# Altium PCB PCB1.PcbDoc
Units mm, origin at the board's own origin, x right, y up, seen from the top; angles counter-clockwise.
Board outline 24.03 x 10 mm, 2 copper layers (Top Layer, Bottom Layer); 14 components, 16 nets, 63 pads, 12 vias.
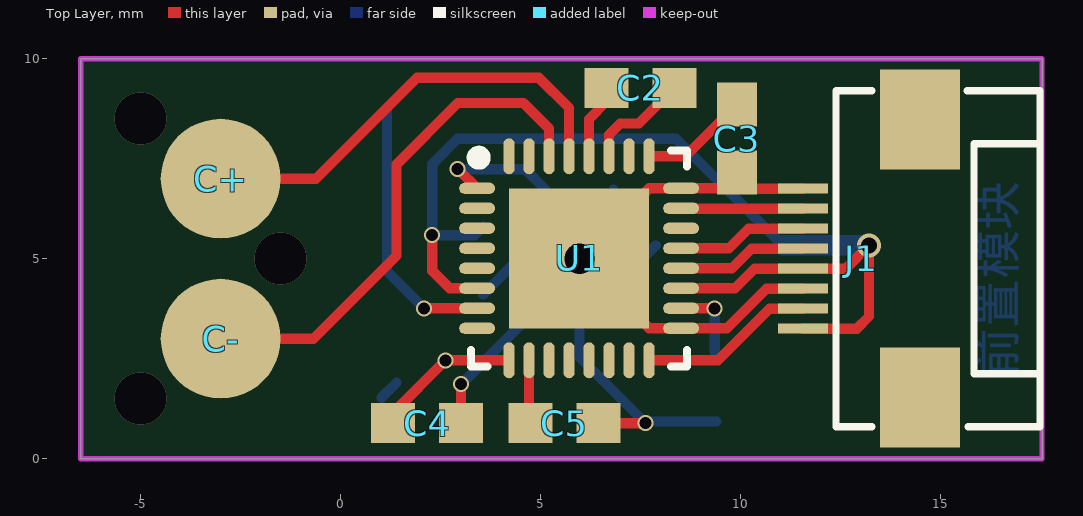
[diagram p0: Top Layer view]
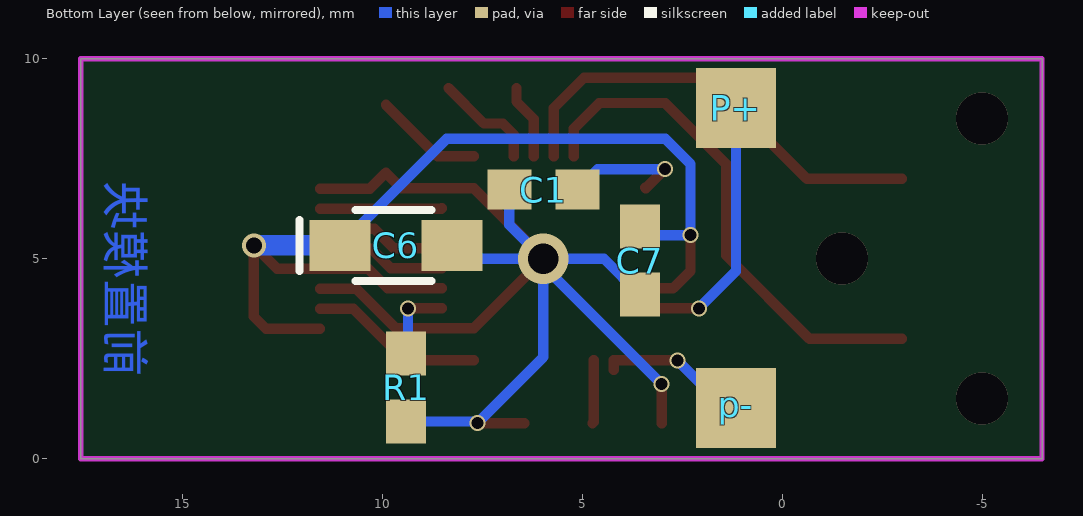
[diagram p1: Bottom Layer view, seen from below]

## Layer stack, top to bottom
Top Solder: solder mask 0.0102, Solder Resist, Dk 3.5
Top Layer: signal copper 0.0356
Dielectric 1: dielectric 0.32, FR-4, Dk 4.8
Bottom Layer: signal copper 0.0356
Bottom Solder: solder mask 0.0102, Solder Resist, Dk 3.5

## Board outline
-6.5,0 -6.5,10 17.533,10 17.533,0

## Design rules (kind name [scope] priority, off if disabled: settings)
Clearance [All] p1: gap=0.152 ignorepadtopadclearanceinfootprint=FALSE
ComponentClearance [All] p1 off: gap=0.254 collisioncheckmode=3 verticalgap=0.254 showdistances=FALSE
PolygonConnect [All] p1: connectstyle=Relief reliefconductorwidth=0.254 reliefentries=4 polygonreliefangle="90 Angle" airgapwidth=0.254
RoutingVias [All] p1: holewidth=0.711 width=1.27 viastyle="Through Hole" minholewidth=0.3 minwidth=0.4 maxholewidth=6.35 maxwidth=10
SolderMaskExpansion [All] p1: expansion=0.102
Width [All] p1: maxlimit=2.54 minlimit=0.254 preferedwidth=0.254
29 further rules are at their usual default settings.

## Classes and differential pairs
component class 电容测量: C1 C2 C3 C4 C5 C6 C7 C+ C- J1 P+ p- R1

## Components (designator, comment, footprint, x,y, rotation, side; value= is the part's Value field where it differs from the comment)
C1 "Cap" 0603-2 5.969,6.731 r0 bottom value=100nf
C2 "Cap" 0603-2 7.493,9.271 r180 top value=56pf
C3 "Cap" 0603-2 9.906,8.001 r90 top value=4.7uf
C4 "Cap" 0603-2 2.159,0.889 r0 top value=33nf
C5 "Cap" 0603-2 5.588,0.889 r180 top value=100nf
C6 "Cap Pol" CAP-3216 9.652,5.334 r180 bottom value=10uf
C7 "Cap" 0603-2 3.556,4.953 r90 bottom value=0.1uf
C+ "pad" PAD_3X3#1 -1.143,8.763 r0 top
C- "pad" PAD_3X3#2 -1.13,1.27 r0 top
J1 "FPC-8P" FPC0.5-8P-C 12.178,5 r0 top
P+ "pad" PAD_3X3#3 1.143,8.763 r180 bottom
p- "pad" PAD_3X3#3 1.143,1.27 r180 bottom
R1 "Res1" 0603-2 9.398,1.778 r270 bottom value=470K
U1 "PCap01-AD" QFN-32_5X5X05 5.949,5 r270 top

## Footprints (in the part's own frame and the unit in brackets; to place one, negate y for a bottom-side part, rotate by r counter-clockwise, add the part's x,y. Pads: shape width x height; smd on the part's side, far side on the other; paste and mask are expansions set on the pad)
0603-2 [mm] "贴片无丝印"
  rect 1.1x1 smd: 1(-0.85,0) 2(0.85,0)
CAP-3216 [mil] "钽电容"
  rect 60x50 smd: 1(-55,0) 2(55,0)
  silkscreen extent -95,-35 35,35
FPC0.5-8P-C [mm] "FPC连接器母座，0.5mm间距，8P,掀盖式"
  rect 1.25x0.25 smd: 1(-0.625,1.75) 2(-0.625,1.25) 3(-0.625,0.75) 4(-0.625,0.25) 5(-0.625,-0.25) 6(-0.625,-0.75) 7(-0.625,-1.25) 8(-0.625,-1.75)
  rect 2x2.5 smd: A(2.3,-3.475) B(2.3,3.475)
  silkscreen extent 0.2,-4.2 5.3,4.2, body extent 0.2,-4.18 5.3,4.2, height 2
PAD_3X3#1 [mm]
  round 3 smd: 1(-1.857,-1.763)
PAD_3X3#2 [mm]
  round 3 smd: 1(-1.87,1.73)
PAD_3X3#3 [mm]
  rect 2x2 smd: 1(-0.013,0)
QFN-32_5X5X05 [mm]
  rect 3.5x3.5 smd paste-1.75 mask+0.051: 0(-0.012,0.01)
  oval 0.28x0.9 smd mask+0.051: 1(-1.762,-2.54) 2(-1.262,-2.54) 3(-0.762,-2.54) 4(-0.262,-2.54) 5(0.238,-2.54) 6(0.738,-2.54) 7(1.238,-2.54) 8(1.738,-2.54) 17(1.738,2.56) 18(1.238,2.56) 19(0.738,2.56) 20(0.238,2.56) 21(-0.262,2.56) 22(-0.762,2.56) 23(-1.262,2.56) 24(-1.762,2.56)
  oval 0.9x0.28 smd mask+0.051: 9(2.538,-1.74) 10(2.538,-1.24) 11(2.538,-0.74) 12(2.538,-0.24) 13(2.538,0.26) 14(2.538,0.76) 15(2.538,1.26) 16(2.538,1.76) 25(-2.562,1.76) 26(-2.562,1.26) 27(-2.562,0.76) 28(-2.562,0.26) 29(-2.562,-0.24) 30(-2.562,-0.74) 31(-2.562,-1.24) 32(-2.562,-1.74)
  silkscreen extent -2.71,-2.69 2.69,2.71

## Part data
C1 C2 C3 C4 C5 C7: "无极性电容", LatestRevisionDate=17-Jul-2002, LatestRevisionNote="Re-released for DXP Platform.", PackageReference=RAD-0.3, Published=8-Jun-2000, Publisher="Altium Limited"
C6: "极性电解电容", LatestRevisionDate=17-Jul-2002, LatestRevisionNote="Re-released for DXP Platform.", PackageReference=RB7.6-15, Published=8-Jun-2000, Publisher="Altium Limited", Vol=16V
C+ C- P+ p-: library part pad_3x3, "焊盘接口"
J1: "FPC排线连接器"
R1: "贴片电阻", LatestRevisionDate=17-Jul-2002, LatestRevisionNote="Re-released for DXP Platform.", PackageReference=AXIAL-0.4, Published=8-Jun-2000, Publisher="Altium Limited"
U1: library part Pcap01AD, "电容测量芯片"

## Via types
v1: diameter 0.4, hole 0.3, Top Layer to Bottom Layer, 7 vias
v2: diameter 1.3, hole 1.3, Top Layer to Bottom Layer, 3 vias
v3: diameter 0.6, hole 0.4, Top Layer to Bottom Layer, 1 vias
v4: diameter 1.27, hole 0.762, Top Layer to Bottom Layer, 1 vias

## Nets (pads, with @x,y where several pads share a name; then routed paths per layer and width w, separated by ;. In a path a pad name is that pad's centre, name@x,y a point inside that pad or via, vN(x,y) a via of type N, cw(c..) or ccw(c..) an arc to the next point about the centre after c; other vN are vias at no path point)
3.3V: C6.1 C7.2 J1.5 J1.8 U1.6 U1.19 | length 26.3
  Top Layer w0.254: v1(2.286,5.588) 2.286,4.699 2.723,4.262 U1.6 ; U1.19 9.856,4.262 10.344,4.75 J1.5 12.624,4.75 v3(13.208,5.334) 13.208,3.556 12.902,3.25 J1.8
  Bottom Layer w0.254: C7.2 3.341,5.588 v1(2.286,5.588) 2.286,7.366 2.921,8.001 8.382,8.001 C6.1
  Bottom Layer w0.508: C6.1 v3(13.208,5.334)
CS: J1.3 U1.21 | length 3.2
  Top Layer w0.254: U1.21 9.707,5.262 10.195,5.75 J1.3
GND: C1.2 C3.1 C4.2 C5.1 C6.2 C7.1 J1.1 J1.6 R1.2 U1.0 U1.17 U1.24 | length 33.2
  Top Layer w0.254: C4.2 v1(3.009,1.866) ; C5.1 v1(7.62,0.889) ; J1.6 10.643,4.25 9.655,3.262 U1.17 7.709,3.262 U1.0 7.709,6.762 U1.24 9.517,6.762 C3.1 10.307,6.75 J1.1
  Bottom Layer w0.254: v1(3.009,1.866) v4@5.969,4.826 ; C7.1 4.453,5 v4(5.969,5) ; C1.2 6.819,5.85 v4(5.969,5) ; C6.2@7.874,5.334 7.54,5 v4(5.969,5) ; R1.2 7.659,0.928 v1(7.62,0.889) 5.969,2.54 v4@5.969,4.826 ; v4@5.969,4.826 v4(5.969,5)
MISO: J1.7 U1.16 | length 4.4
  Top Layer w0.254: U1.16 9.43,2.462 10.718,3.75 J1.7
MOSI: J1.2 U1.23 | length 3
  Top Layer w0.254: U1.23 8.521,6.25 J1.2
NetC1_1: C1.1 U1.1 | length 3.1
  Top Layer w0.254: v1(2.921,7.239) 2.932,7.239 U1.1 U1.1@3.429,6.782
  Bottom Layer w0.254: v1(2.921,7.239) 4.611,7.239 C1.1
NetC2_1: C2.1 U1.27 | length 2.7
  Top Layer w0.254: U1.27 6.709,8.106 6.985,8.382 7.454,8.382 C2.1
NetC2_2: C2.2 U1.28 | length 1.9
  Top Layer w0.254: U1.28 6.209,8.495 6.643,8.929 C2.2
NetC3_2: C3.2 U1.25 | length 2.7
  Top Layer w0.254: U1.25 8.617,7.562 C3.2
NetC4_1: C4.1 p-.1 U1.9 | length 6.5
  Top Layer w0.254: C4.1 1.309,1.153 v1(2.618,2.462) U1.9 U1.9@4.209,2.216
  Bottom Layer w0.254: p-.1@1.016,1.524 p-.1@1.397,1.905 ; p-.1@1.143,1.27 p-.1 1.426,1.27 v1(2.618,2.462)
NetC5_2: C5.2 U1.10 | length 1.6
  Top Layer w0.254: U1.10 4.709,0.918 C5.2
NetC+_1: C+.1 U1.29 | length 11.3
  Top Layer w0.254: C+.1 -0.62,7 1.905,9.525 4.953,9.525 5.709,8.769 U1.29
NetC-_1: C-.1 U1.30 | length 12.9
  Top Layer w0.254: C-.1 -0.683,3 1.397,5.08 1.397,7.366 2.921,8.89 4.572,8.89 5.209,8.253 U1.30
NetP+_1: P+.1 U1.7 | length 6.7
  Top Layer w0.254: v1(2.08,3.762) U1.7
  Bottom Layer w0.254: P+.1 1.156,4.686 v1(2.08,3.762)
NetR1_1: R1.1 U1.18 | length 2
  Top Layer w0.254: U1.18 v1(9.35,3.762)
  Bottom Layer w0.254: v1(9.35,3.762) 9.35,2.676 R1.1
SCk: J1.4 U1.20 | length 3.2
  Top Layer w0.254: U1.20 9.782,4.762 10.27,5.25 J1.4
pads on no net: J1.A J1.B U1.2 U1.3 U1.4 U1.5 U1.8 U1.11 U1.12 U1.13 U1.14 U1.15 U1.22 U1.26 U1.31 U1.32
copper on no net:
  other v2: -5,1.5 -1.5,5 -5,8.5

## Keep-outs
Keep-Out Layer:
  lines w0.127: -6.5,0 -6.5,10 ; -6.477,0 17.533,0 17.533,10 -6.477,10

## Other copper
Bottom Layer:
  text "前置模块" at 17.145,2.032 h1.52 r90

## Silkscreen, mask and mechanical layers (free items; w line width, h text height)
Bottom Solder:
  text "前置模块" at 17.145,2.032 h1.52 r90